# Altium PCB Mainboard.PcbDoc
Units mil, origin at the board's own origin, x right, y up, seen from the top; angles counter-clockwise.
Board outline 2311.74 x 1279.02 mil, 2 copper layers (Top Layer, Bottom Layer); 34 components, 20 nets, 204 pads, 161 vias.
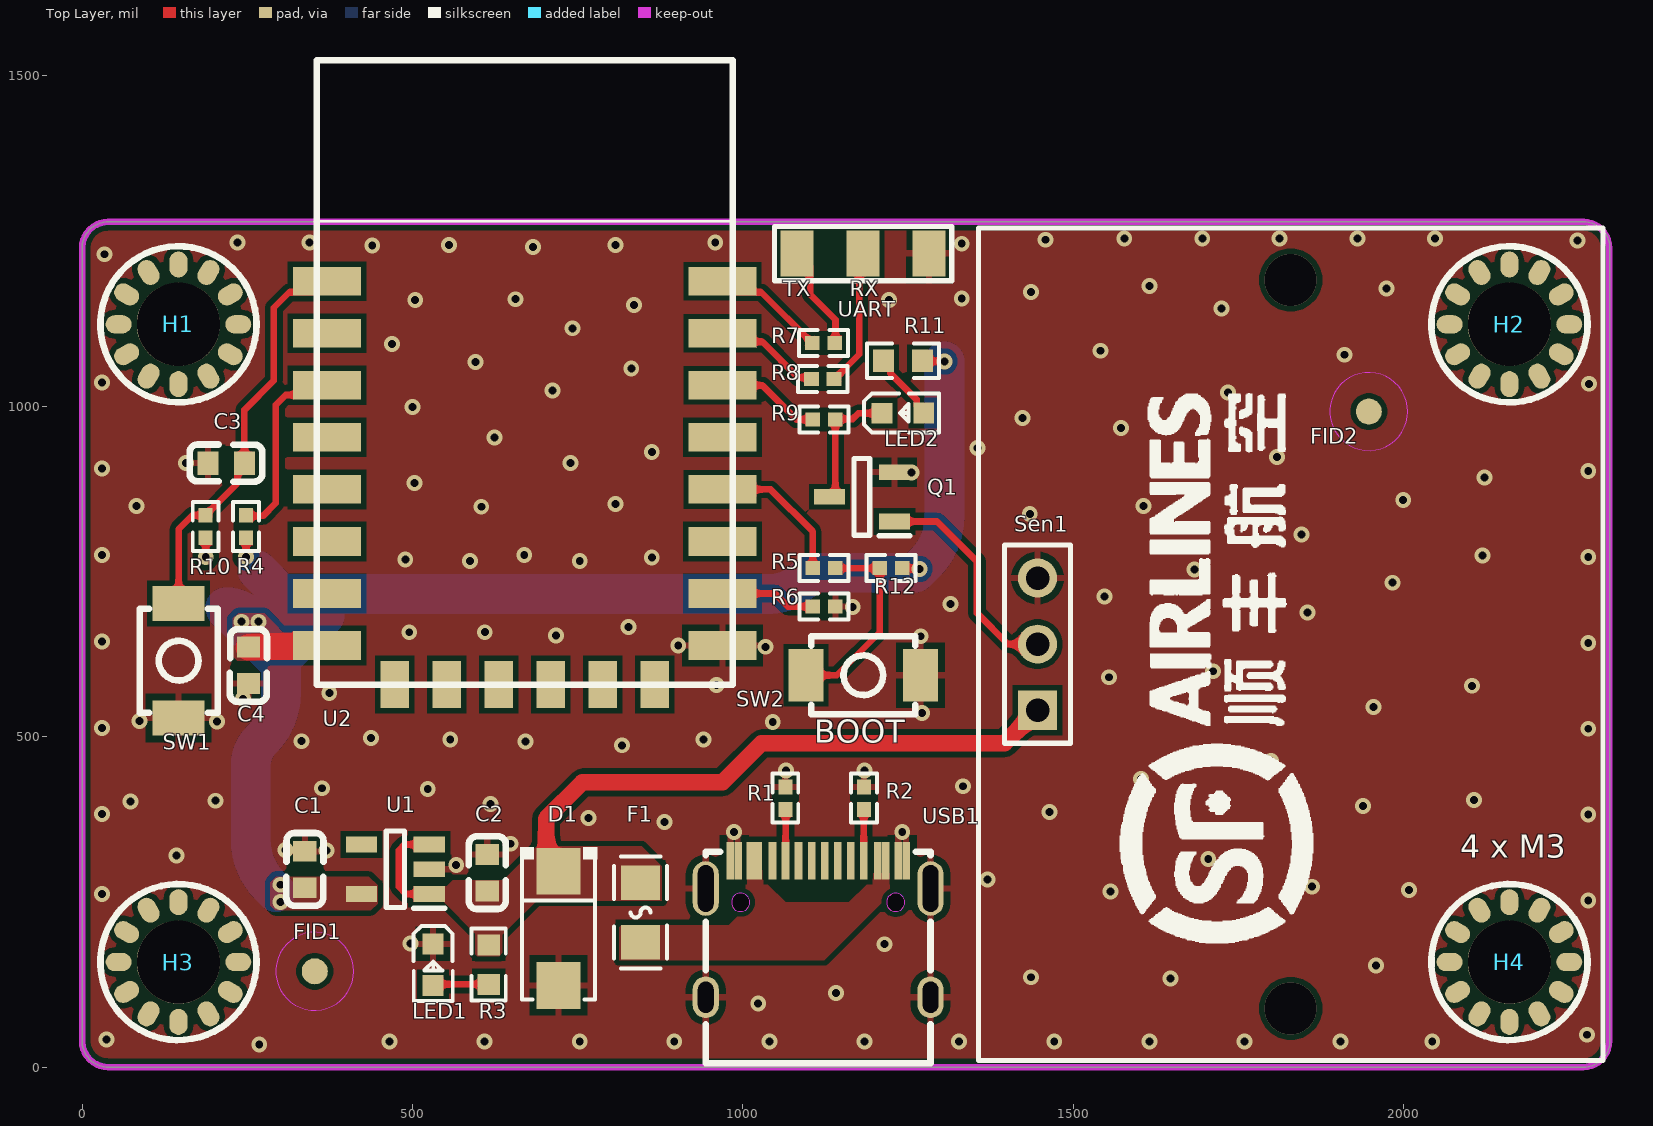
[diagram p0: Top Layer view]
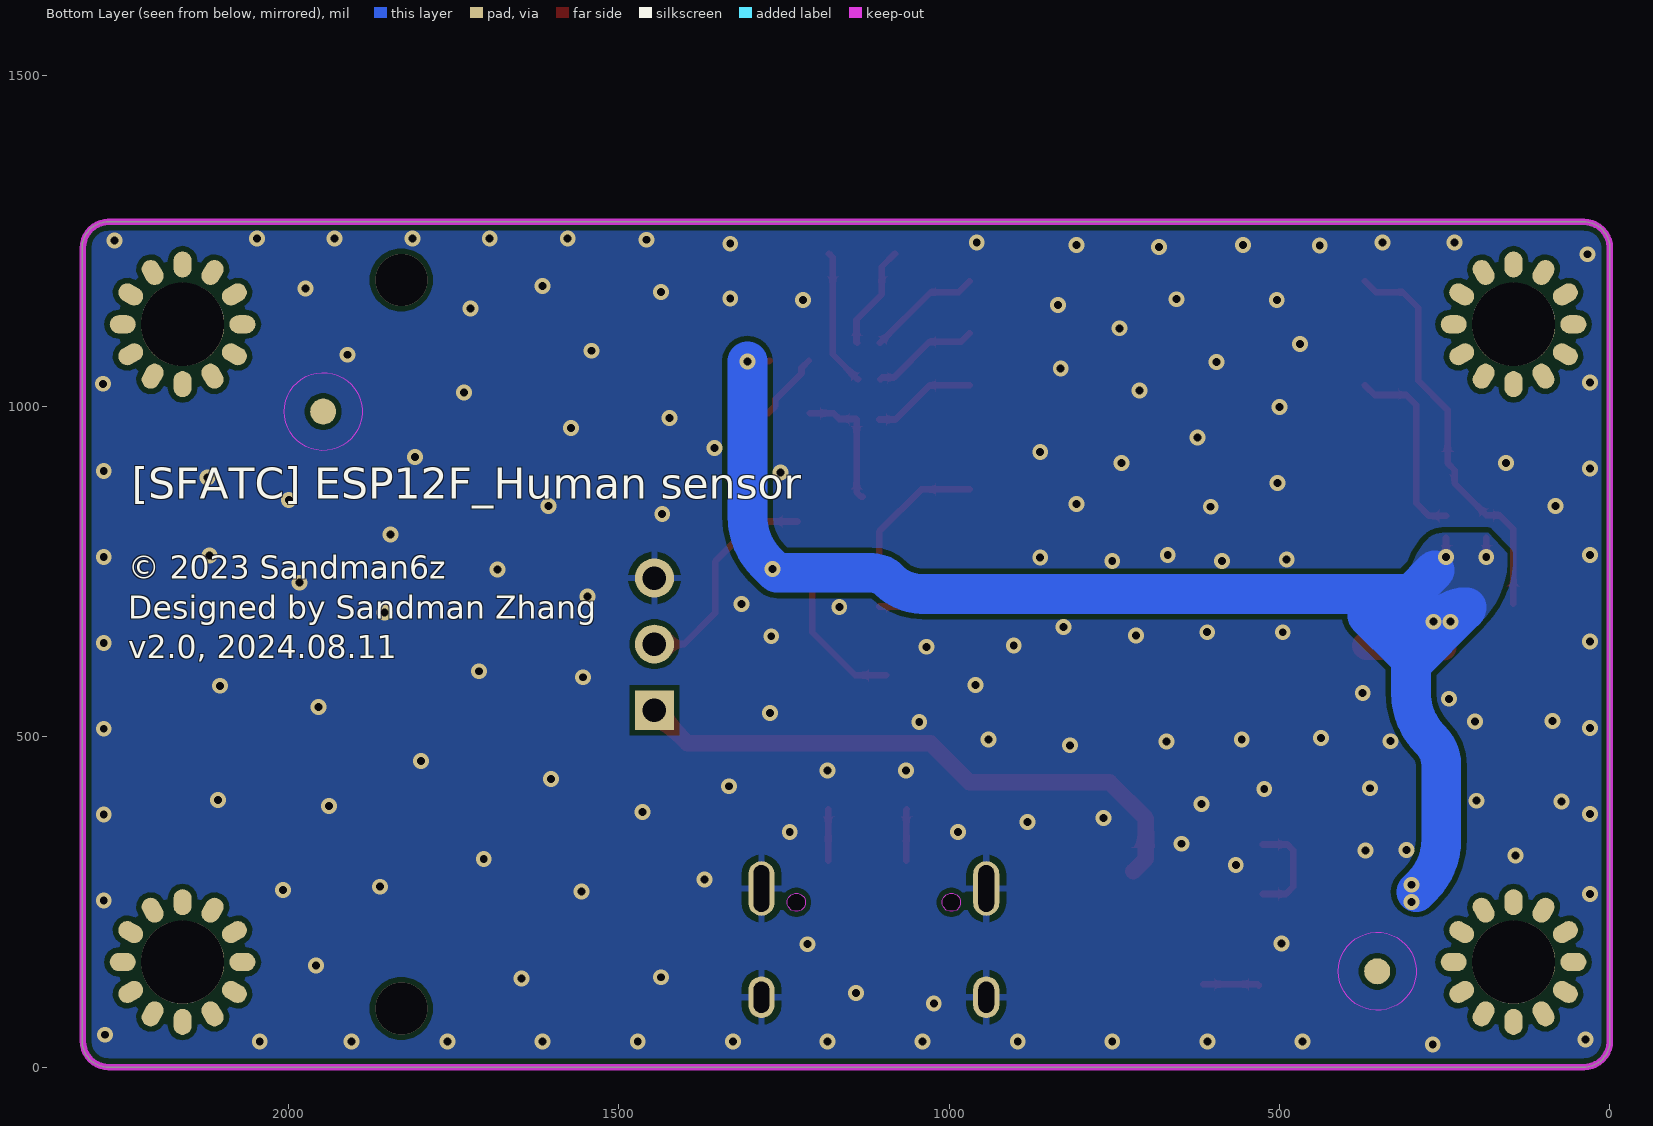
[diagram p1: Bottom Layer view, seen from below]
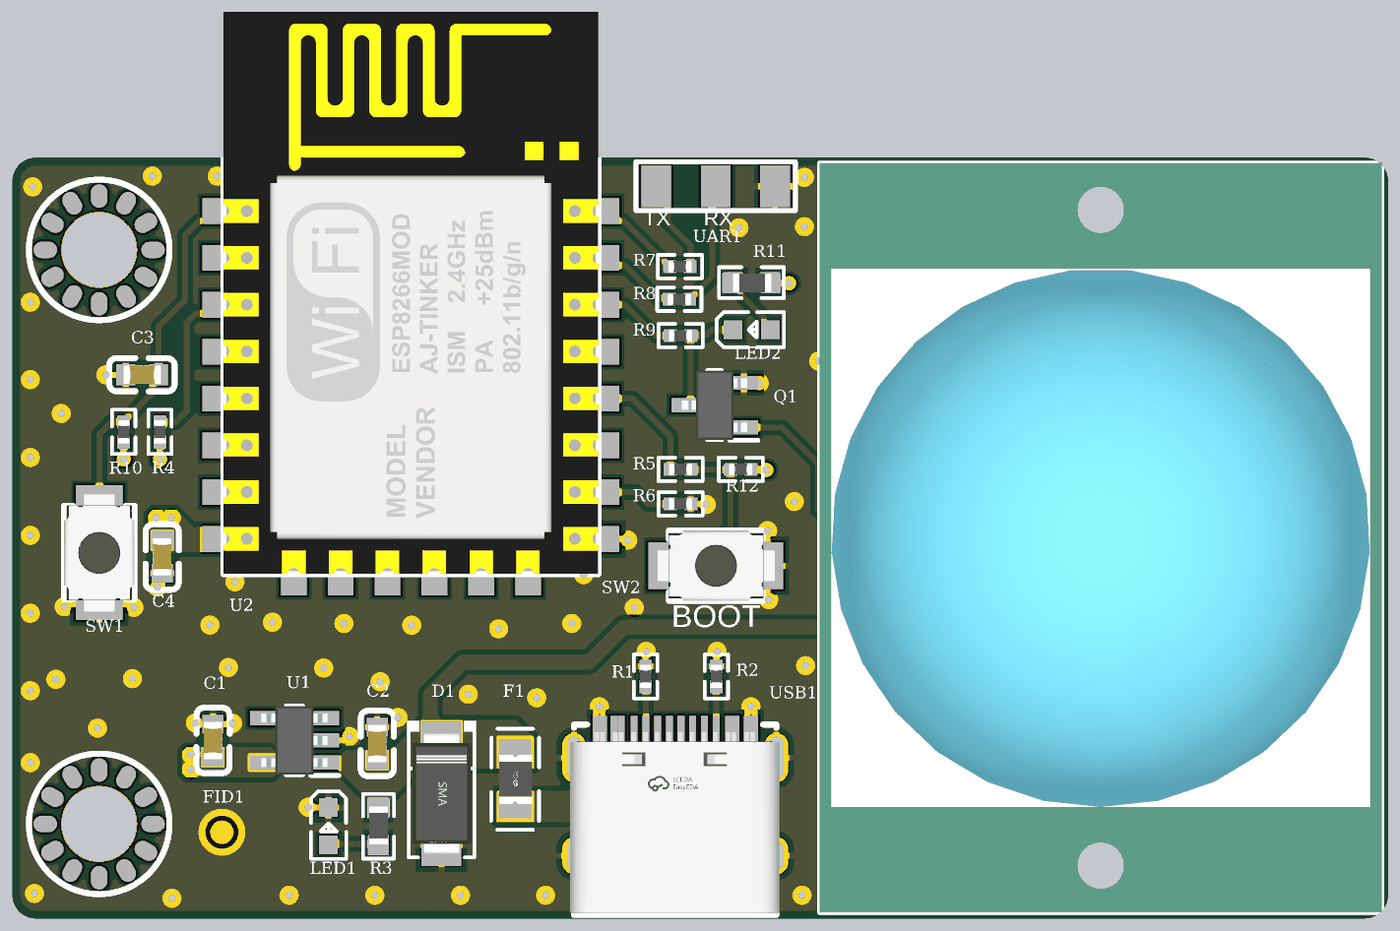
[diagram p2: 3D render of the assembled board from above, using the file's embedded part models]

## Layer stack, top to bottom
Top Solder: solder mask 0.4, Solder Resist, Dk 3.5
Top Layer: signal copper 1.4
Dielectric 2: dielectric 12.6, FR-4, Dk 4.8
Bottom Layer: signal copper 1.4
Bottom Solder: solder mask 0.4, Solder Resist, Dk 3.5

## Board outline
0,39.37 ccw(c39.37,39.37) 39.37,0 2272.36,0 ccw(c2272.36,39.37) 2311.73,39.37 2311.74,1239.65 ccw(c2272.37,1239.65) 2272.37,1279.02 2272.36,1279 39.37,1279 ccw(c39.37,1239.63) 0,1239.63

## Design rules (kind name [scope] priority, off if disabled: settings)
BoardOutlineClearance [All] p1: gap=8 ignorepadtopadclearanceinfootprint=FALSE
Clearance [All] p1: gap=8 ignorepadtopadclearanceinfootprint=TRUE
ComponentClearance [All] p1: gap=10 collisioncheckmode=3 verticalgap=100000 showdistances=FALSE
HoleSize [All] p1: absolutevalues=TRUE maxlimit=9999 minlimit=1 maxpercent=80.000 minpercent=20.000
HoleToHoleClearance [All] p1: gap=6 allowstackedmicrovias=TRUE
MinimumSolderMaskSliver [All] p1: minsoldermaskwidth=4
PasteMaskExpansion [All] p1: expansion=0 thpadusetoppaste=TRUE thpadusebottompaste=TRUE
PlaneConnect PlaneConnect_GND [InNet('GND')] p1: planeconnectstyle=Relief reliefexpansion=20 reliefentries=4 reliefconductorwidth=10 reliefairgap=10
PlaneConnect [All] p2: planeconnectstyle=Direct reliefexpansion=20 reliefentries=4 reliefconductorwidth=10 reliefairgap=10
PolygonConnect PolygonConnect_GND [InNet('GND')] p1: thpad.connectstyle=Relief thpad.reliefconductorwidth=10 thpad.reliefentries=4 thpad.polygonreliefangle="90 Angle" thpad.airgapwidth=10 smdpad.connectstyle=Relief smdpad.reliefconductorwidth=10 smdpad.reliefentries=4 smdpad.polygonreliefangle="90 Angle" smdpad.airgapwidth=10 via.connectstyle=Direct via.reliefconductorwidth=10 via.reliefentries=4 via.polygonreliefangle="90 Angle" via.airgapwidth=10
PolygonConnect [All] p2: connectstyle=Direct reliefconductorwidth=10 reliefentries=4 polygonreliefangle="90 Angle" airgapwidth=10
RoutingVias [All] p1: holewidth=12 width=24 viastyle="Through Hole" minholewidth=8 minwidth=20 maxholewidth=24 maxwidth=32
SilkToSilkClearance [All] p1: silktosilkclearance=0
SilkToSolderMaskClearance [IsPad] p1: minsilkscreentomaskgap=0 clearancetoexposedcopper=TRUE
SolderMaskExpansion [All] p1: expansion=4 istentingtop=FALSE
SupplyNets "Schematic Supply Nets_2" [InNet('VCC3V3_SYS')] p1: voltage=0.000
SupplyNets "Schematic Supply Nets_4" [InNet('VCC5V0_USB')] p2: voltage=0.000
SupplyNets "Schematic Supply Nets_3" [InNet('VUSB')] p3: voltage=0.000
SupplyNets "Schematic Supply Nets_1" [InNet('GND')] p4: voltage=0.000
UnRoutedNet [All] p1: checkbadconnections=TRUE
Width [All] p1: maxlimit=60 minlimit=6 preferedwidth=10
21 further rules are at their usual default settings.

## Classes and differential pairs
component class Power: 5->3V3 C1 C2 D1 F1 FID1 FID2 H1 H2 H3 H4 LED1 R1 R2 R3 U1 USB1
component class ESP12F: C3 C4 LED2 Q1 R4 R5 R6 R7 R8 R9 R10 R11 R12 Sen1 SW1 SW2 U2 UART

## Components (designator, comment, footprint, x,y, rotation, side; value= is the part's Value field where it differs from the comment)
C1 "10uF ±5%_X7R" C0603 337,299 r270 top
C2 "10uF ±5%_X7R" C0603 613,294 r270 top
C3 "100nF ±5%_X7R" C0603 218,914 r0 top
C4 "100nF ±5%_X7R" C0603 251.77,608 r90 top
D1 "SMAJ6.0A" SMA_L4.4-W2.6-LS5.0-RD 721,210 r270 top
F1 "BSMD0805-050-6V" F0805 845,234 r90 top
FID1 "MARK Point" FIDUCIAL 352,145 r0 top
FID2 "MARK Point" FIDUCIAL 1947,992 r0 top
H1 "M3" M3_PTH 145.74,1124 r0 top
H2 "M3" M3_PTH 2159.74,1124 r0 top
H3 "M3" M3_PTH 145.74,159 r0 top
H4 "M3" M3_PTH 2159.74,159 r0 top
LED1 "LED" LED0603-RD 531,155 r270 top
LED2 "LED" LED0603-RD 1242,989.69 r0 top
Q1 "AO3418" SOT95P280X125-3N 1180,863 r180 top
R1 "5.1kΩ ±1% 100mW" R0402 1064,407 r270 top
R2 "5.1kΩ ±1% 100mW" R0402 1183,407 r90 top
R3 "4.7kΩ ±1% 100mW" R0603 615,155 r270 top
R4 "Res3" r0402 248,818 r90 top value=1K
R5 "Res3" r0402 1122.74,755 r0 top value=1K
R6 "Res3" r0402 1122.74,697 r0 top value=1K
R7 "10kΩ ±1% 100mW" R0402 1121.74,1096 r180 top
R8 "10kΩ ±1% 100mW" R0402 1120.74,1041 r180 top
R9 "10kΩ ±1% 100mW" R0402 1122.74,980 r180 top
R10 "10kΩ ±1% 100mW" R0402 187,818 r270 top
R11 "4.7kΩ ±1% 100mW" R0603 1242,1069 r180 top
R12 "10kΩ ±1% 100mW" R0402 1224,755 r0 top
Sen1 "HR-SR501" HR-SR501 2301.25,10.08 r90 top
SW1 "TS-1185-B-A-B-A" SW-SMD_L4.0-W3.0-LS5.0 146,615 r90 top
SW2 "TS-1185-B-A-B-A" SW-SMD_L4.0-W3.0-LS5.0 1182,593 r180 top
U1 "ME6211C33M5G" SOT95P282X145-5N 473.92,299.4 r180 top
U2 "ESP-12E&F Onboard Module" "ESP-12E&F Module" 669.74,884 r0 top locked
UART "UART_3pads" 3pads 1081.74,1231 r90 top (schematic designator COM1)
USB1 "USB-C 16P" USB-C-16P 1113.74,206 r0 top

## Footprints (in the part's own frame and the unit in brackets; to place one, negate y for a bottom-side part, rotate by r counter-clockwise, add the part's x,y. Pads: shape width x height; smd on the part's side, far side on the other; paste and mask are expansions set on the pad)
3pads [mil]
  rect 70x50 smd: 1(0,0) 2(0,-100) 3(0,-200)
C0603 [mm]
  rect 0.8x0.9 smd mask+0.051: 1(-0.7,0) 2(0.7,0)
  silkscreen extent -1.41,-0.71 1.39,0.72, body extent -0.8,-0.4 0.8,0.4, height 0.8
"ESP-12E&F Module" [mm]
  rect 2.6x1.1 smd: 1(-7.6,7.75) 2(-7.6,5.75) 3(-7.6,3.75) 4(-7.6,1.75) 5(-7.6,-0.25) 6(-7.6,-2.25) 7(-7.6,-4.25) 8(-7.6,-6.25) 15(7.6,-6.25) 16(7.6,-4.25) 17(7.6,-2.25) 18(7.6,-0.25) 19(7.6,1.75) 20(7.6,3.75) 21(7.6,5.75) 22(7.6,7.75)
  rect 1.1x1.8 smd: 9(-5,-7.75) 10(-3,-7.75) 11(-1,-7.75) 12(1,-7.75) 13(3,-7.75) 14(5,-7.75)
  silkscreen extent -8,-7.75 8,16.25, body extent -8.01,-7.75 8,16.26, height 2.65
F0805 [mm]
  rect 1.335x1.5 smd paste-100 mask+0.051: 1(-1.142,0) 2(1.142,0)
  silkscreen extent -2.16,-1.02 2.16,1.02, body extent -1.05,-0.71 1.05,0.69, height 0.8
FIDUCIAL [mm] "1mm fiducial with 3mm keepout"
  round 1 smd far side paste-1 mask+0.5: 0(0,0)
  round 1 smd paste-1 mask+0.5: S(0,0)
  Keep-Out Layer circle w0.025: c0,0 r1.5
HR-SR501 [mm] "人体红外感应模块"
  rect 1.5x1.5 hole 0.9: 1(13.46,21.73)
  round 1.5 hole 0.9: 2(16,21.73) 3(18.54,21.73)
  silkscreen extent 0,0 32,24, body extent 0,0 32,24, height 16.6
LED0603-RD [mm]
  rect 0.8x0.8 smd paste+0 mask+0.051: 1(0.799,0.003) 2(-0.799,-0.003)
  silkscreen extent -1.49,-0.75 1.39,0.76
M3_PTH [mm] "Hole with copper"
  oval 1x0.7 smd mask+0.102: 1(-2.3,0) 1(2.3,0)
  oval 1x0.7 smd far side mask+0.102: 1(-2.3,0) 1(2.3,0)
  oval 0.7x1 smd rot 120 mask+0.102: 1(-1.992,-1.15) 1(1.992,1.15)
  oval 0.7x1 smd far side rot 120 mask+0.102: 1(-1.992,-1.15) 1(1.992,1.15)
  oval 0.7x1 smd rot 60 mask+0.102: 1(-1.992,1.15) 1(1.992,-1.15)
  oval 0.7x1 smd far side rot 60 mask+0.102: 1(-1.992,1.15) 1(1.992,-1.15)
  oval 0.7x1 smd rot 150 mask+0.102: 1(-1.15,-1.992) 1(1.15,1.992)
  oval 0.7x1 smd far side rot 150 mask+0.102: 1(-1.15,-1.992) 1(1.15,1.992)
  oval 0.7x1 smd rot 30 mask+0.102: 1(-1.15,1.992) 1(1.15,-1.992)
  oval 0.7x1 smd far side rot 30 mask+0.102: 1(-1.15,1.992) 1(1.15,-1.992)
  oval 0.7x1 smd mask+0.102: 1(0,-2.3) 1(0,2.3)
  oval 0.7x1 smd far side mask+0.102: 1(0,-2.3) 1(0,2.3)
  round 3.2 hole 3.2 mask+0.102: 1(0,0)
  silkscreen extent -3,-3 3,3
R0402 [mm]
  rect 0.566x0.54 smd mask+0.051: 1(-0.433,0) 2(0.433,0)
  silkscreen extent -0.94,-0.5 0.94,0.5, body extent -0.5,-0.25 0.5,0.25, height 0.5
r0402 [mm]
  rect 0.566x0.54 smd mask+0.051: 1(-0.433,0) 2(0.433,0)
  silkscreen extent -0.94,-0.5 0.94,0.5, body extent -0.5,-0.25 0.5,0.25, height 0.5
R0603 [mil]
  rect 31.75x34.02 smd mask+2: 1(-29.66,0) 2(29.66,0)
  silkscreen extent -55,-26 55,26, body extent -33,-16 31,16, height 18
SMA_L4.4-W2.6-LS5.0-RD [mm]
  rect 1.8x1.7 smd paste+0 mask+0.051: 1(-2.192,0) 2(2.192,0)
  silkscreen extent -3.11,-1.48 2.73,1.48, body extent -2.6,-1.24 2.6,1.26, height 2.1
SOT95P280X125-3N [mm]
  rect 1.2x0.6 smd: 1(-1.25,0.95) 2(-1.25,-0.95) 3(1.25,0)
  silkscreen extent -1.85,-1.48 0.3,1.5, body extent -1.4,-1.48 1.4,1.48, height 1.25
SOT95P282X145-5N [mm]
  rect 1.2x0.6 smd: 1(-1.3,0.95) 2(-1.3,0) 3(-1.3,-0.95) 4(1.3,-0.95) 5(1.3,0.95)
  silkscreen extent -1.9,-1.47 0.35,1.5, body extent -1.41,-1.47 1.41,1.47, height 1.45
SW-SMD_L4.0-W3.0-LS5.0 [mm]
  rect 1.35x2 smd: 1(-2.2,0) 2(2.2,0)
  silkscreen extent -2,-1.5 2,1.5, body extent -2.51,-1.5 2.49,1.5, height 2
USB-C-16P [mm]
  oval 1.001x1.6 hole 0.599 slot 1.199 at 90 deg paste-2539.97 mask+0.051: 0(-4.321,-2.548) 0(4.321,-2.548)
  oval 1.001x2.101 hole 0.599 slot 1.801 at 90 deg paste-2539.97 mask+0.051: 0(-4.321,1.633) 0(4.321,1.633)
  rect 0.3x1.45 smd: A1(-3.071,2.7) A4(-2.309,2.7) A5(-1.25,2.7) A6(-0.25,2.7) A7(0.25,2.7) A8(1.25,2.7) A9(2.291,2.7) A12(3.079,2.7) B1(3.384,2.7) B4(2.596,2.7) B5(1.75,2.7) B6(0.75,2.7) B7(-0.75,2.7) B8(-1.75,2.7) B9(-2.614,2.7) B12(-3.376,2.7)
  Keep-Out Layer board cut-out: -2.629,1.102 -2.629,1.172 -2.682,1.301 -2.781,1.4 -2.91,1.453 -3.049,1.453 -3.178,1.4 -3.277,1.301 -3.33,1.172 -3.33,1.102 -3.33,1.033 -3.277,0.904 -3.178,0.805 -3.049,0.752 -2.91,0.752 -2.781,0.805 -2.682,0.904 -2.629,1.033 -2.629,1.102
  Keep-Out Layer board cut-out: 3.33,1.102 3.33,1.172 3.277,1.301 3.178,1.4 3.049,1.453 2.91,1.453 2.781,1.4 2.682,1.301 2.629,1.172 2.629,1.102 2.629,1.033 2.682,0.904 2.781,0.805 2.91,0.752 3.049,0.752 3.178,0.805 3.277,0.904 3.33,1.033 3.33,1.102
  silkscreen extent -4.32,-5.08 4.32,3.05, body extent -4.49,-5.02 4.44,2.73, height 3.29

## Part data
C1 C2 C3 C4: library part Cap, "Capacitor", LatestRevisionDate=17-Jul-2002, LatestRevisionNote="Re-released for DXP Platform.", PackageDescription="Radial Cap, Thru-Hole; 2 Leads; 0.3 in Pin Spacing", PackageReference=RAD-0.3, Published=8-Jun-2000, Publisher="Altium Limited"
D1: library part SMAJ6.0A_C152112, Breakdown Voltage=6.67V, JLCPCB Part Class="Extended Part", LCSC Part Name="单向 Vrwm:6V", Manufacturer=BORN(伯恩半导体), Maximum Clamping Voltage=10.3V, Peak Pulse Current (Ipp)@10/1000μs=38.8A, Reverse Stand-Off Voltage (Vrwm)=6V, Add into BOM=yes, Convert to PCB=yes, Datasheet=https://atta.szlcsc.com/upload/public/pdf/source/20180207/C152112_15179949389561359152.pdf, Device=SMAJ6.0A_C152112, Manufacturer Part=SMAJ6.0A, Name=SMAJ6.0A, Polarity=单向, Supplier=LCSC, Supplier Footprint=SMA(DO-214AC), Supplier Part=C152112, Symbol=SMAJ6.0A_C152112
F1: Current Rating (Max)=40A, Hold Current=500mA, JLCPCB Part Class="Extended Part", LCSC Part Name="6V 500mA 0805自恢复", Manufacturer=BHFUSE(佰宏), Operating Temperature=-40℃~+85℃, Operating Voltage (Max)=6V, Power Dissipation=500mW, Resistance - Initial (Ri) (Min)=100mΩ, Resistance - Post Trip (R1) (Max)=850mΩ, Trip Current=1A, Add into BOM=yes, Convert to PCB=yes, Datasheet=https://atta.szlcsc.com/upload/public/pdf/source/20220223/3FD8E8A8A3681642EAEF465E16495357.pdf, Device=BSMD0805-050-6V, Manufacturer Part=BSMD0805-050-6V, Maximum Time to Trip=100ms, Name=BSMD0805-050-6V, Supplier=LCSC, Supplier Footprint=0805, Supplier Part=C883108, Symbol=BSMD0805-050-6V
FID1 FID2: library part FIDUCIAL, "1mm Fiducial with 2mm soldermask, 3mm keepout"
H1 H2 H3 H4: library part PTH, "Hole with copper"
LED1 LED2: "发光颜色:", Emitted Color=红灯, JLCPCB Part Class="Extended Part", Manufacturer=EVERLIGHT(亿光), Manufacturer Part=17-21SURC/S530-A2/TR8, Add into BOM=yes, Convert to PCB=yes, Datasheet=https://atta.szlcsc.com/upload/public/pdf/source/20170918/C131244_1505726880590976254.pdf, Device=17-21SURC/S530-A2/TR8, LCSC Part Name=红灯, Name=17-21SURC/S530-A2/TR8, Supplier=LCSC, Supplier Footprint=0805, Supplier Part=C131244, Symbol=17-21SURC/S530-A2/TR8
Q1: "MOSFET (N-Channel)", Manufacturer_Name="Alpha & Omega Semiconductors", Arrow Part Number=AO3418, Arrow Price/Stock=https://www.arrow.com/en/products/ao3418/alpha-and-omega-semiconductor, Datasheet Link=http://www.aosmd.com/res/data_sheets/AO3418.pdf, Height=1.25mm, Manufacturer_Part_Number=AO3418
R1 R2 R3 R7 R8 R9 R10 R11 R12: library part Res, "Resistor", LatestRevisionDate=17-Jul-2002, LatestRevisionNote="Re-released for DXP Platform.", PackageDescription="Axial Device, Thru-Hole; 2 Leads; 0.3 in Pin Spacing", PackageReference=AXIAL-0.3, Published=8-Jun-2000, Publisher="Altium Limited"
R4 R5 R6: "Resistor", LatestRevisionDate=29-May-2009, LatestRevisionNote="IPC-7351 Footprint Added.", PackageDescription="Chip Resistor", PackageReference=J1-0603, Published=8-Jun-2000, Publisher="Altium Limited"
Sen1: "人体红外感应模块"
SW1 SW2: library part Button, "触点电流：50mA 额定电压(DC)：12V 电路结构：单刀单掷 安装方式：立贴 带灯：无 作用力：160gf 机械寿命：10万次 带支架：否 轻触开关3x4x2贴片2脚小龟 160gf", Actuator/Cap Color=黑色, Contact Current=50mA, Insulation Resistance=-, JLCPCB Part Class="Extended Part", LCSC Part Name="4*3*2mm 立贴 轻触开关", Manufacturer="XKB Connectivity(中国星坤)", Operating Force=160gf, Operating Temperature=-30℃~+85℃, Voltage Rating (DC)=12V, Actuator Style=圆形按钮, Add into BOM=yes, Circuit=单刀单掷, Convert to PCB=yes, Datasheet=https://atta.szlcsc.com/upload/public/pdf/source/20211011/C2F26DC0AE1820400F54DBF49644F5A1.pdf, Device=TS-1185-B-A-B-A, Manufacturer Part=TS-1185-B-A-B-A, Mechanical Life=10万次, Mounting Style=立贴, Name=TS-1185-B-A-B-A, Strike Gundam=否, Supplier=LCSC, Supplier Footprint=SMD, Supplier Part=C561517, Switch Height=2mm, Switch Length=4mm, Switch Width=3mm, Symbol=TS-1185-B-A-B-A, With Lamp=无
U1: "Integrated Circuit", Manufacturer_Name=Microne, Height=1.45mm, Manufacturer_Part_Number=ME6211C33M5G

## Via types
v1: diameter 24, hole 12, Top Layer to Bottom Layer, 159 vias
v2: diameter 78.74, hole 78.74, Top Layer to Bottom Layer, 2 vias

## Nets (pads, with @x,y where several pads share a name; then routed paths per layer and width w, separated by ;. In a path a pad name is that pad's centre, name@x,y a point inside that pad or via, vN(x,y) a via of type N, cw(c..) or ccw(c..) an arc to the next point about the centre after c; other vN are vias at no path point)
GND: C1.1 C2.1 C3.1 C4.1 D1.2 LED1.2 Q1.2 R1.1 R2.2 R6.2 Sen1.3 SW1.1 SW2.1 U1.2 U2.15 UART.3 USB1.0 USB1.A1 USB1.A12 USB1.B1 USB1.B12
  other v1: 268,34 465,39 609,39 753,39 896,39 1040,39 1184,39 1327,39 1471,39 1615,39 1759,39 1904,39 2043,39 37,42 2277,49 1023,96 1141,112 1647,134 1436,136 1958,154 1214,186 497,187 2279,252 30,262 1556,266 2008,268 1861,273 1370,284 566,306 1704,315 143,320 370,328 307.59,328.54 648,338 986.36,356 1241,356 881,371 766,377 2279,382 30,383 1464,386 1938,395 618,398 73,402 201.68,403.16 2106,404 523,421 363,422 1333,425 1602,436 1065,449 1184,449 1799,463 817,487 331.91,493.2 671,493 557,496 940,496 437,498 2279,512 30,513 204,523 1045,522.5 87,524 1271,536 1954,545 243.64,557.36 374,566 2103,577 960,578 1554,590 1711,599 1034,636 902,638 2279,642 30,644 1269,652 717,653 495,658.09 609.31,658.1 827,666 1854,688 1166,696 1314,701 1547,712 1983,733 1683,753 587,766 753,766 489,768 862,771 2279,772 2119,774 30,775 669,775 1845,806 1434,837 604,848 82,849 1606,849 807,852 1999,858 503,884 2122,892 1255,900 2279,902 30,906 157,914 739,914 1808,923 862,931 1355,937 624,953 1572,967 1423,982 500,999 1734,1021 712,1024 2280,1034 30,1036 831,1057 595,1067 1910,1078 1541,1084 469,1094 742,1118 1724,1148 835,1153 504,1161 1221,1161 656,1162 1331,1163 1436,1173 1974,1178 1615,1182 34,1230 682,1241 439,1243 555,1244 807,1244 1331,1246 235,1248 344,1248 958,1248 2263,1251 1458,1252 1577,1254 1695,1254 1812,1254 1930,1254 2047,1254
GPIO0: R5.2 R12.1 SW2.2 | length 302.7
  Top Layer w10: SW2.2 1142,593 1206.96,657.96 R12.1 R5.2
NetLED1_1: LED1.1 R3.2 | length 84.6
  Top Layer w10: LED1.1 532.95,125.34 R3.2
NetLED2_1: LED2.1 R11.2 | length 104.5
  Top Layer w10: R11.2 1223.22,1058.12 1223.22,1049.78 1262.73,1010.27 1262.73,1000.57 LED2.1
NetR1_2: R1.2 USB1.A5 | length 77.9
  Top Layer w10: R1.2 1064.53,389.43 USB1.A5
NetR2_1: R2.1 USB1.B5 | length 77.8
  Top Layer w10: USB1.B5 1182.64,389.6 R2.1
NetR4_2: R4.2 U2.3 | length 291.4
  Top Layer w10: R4.2@248,834.04 273.63,834.04 293,853.41 293,1002 308,1017 355.89,1017 U2.3
NetR5_1: R5.1 U2.18 | length 218.5
  Top Layer w10: U2.18 1041.84,874.16 1105.7,810.3 R5.1
NetR6_1: R6.1 U2.16 | length 144.9
  Top Layer w10: U2.16 1048.32,716.68 1068,697 R6.1
NetR7_2: R7.2 U2.22 | length 174.3
  Top Layer w10: U2.22 985.61,1172.46 1027.73,1172.46 1104.2,1096 R7.2
NetR8_2: R8.2 U2.21 | length 163.5
  Top Layer w10: U2.21 981.61,1097.72 1029.28,1097.72 1083.42,1043.58 1101.12,1043.58 R8.2
NetR9_2: R9.2 U2.20 | length 158.1
  Top Layer w10: U2.20 1029.36,1031.64 1081,980 R9.2
OUT: Q1.1 Sen1.2 | length 339.1
  Top Layer w10: Q1.1 1293.4,825.6 1354,765 1354,687 1401,640 Sen1.2
RST: C3.2 R10.1 SW1.2 U2.1 | length 615.9
  Top Layer w10: SW1.2 146,814 167.04,835.04 R10.1 187,835.55 234.81,883.36 234.81,903.25 C3.2 245.56,994.56 290,1039 290,1149 313.46,1172.46 353.87,1172.46 U2.1
RXD: R8.1 UART.2 | length 208.5
  Top Layer w10: R8.1 1138.29,1041 1176,1078.71 1176,1225.26 UART.2
Sensor_IN: LED2.2 Q1.3 R9.1 | length 196.7
  Top Layer w10: Q1.3 1132.97,863 1139.78,869.81 R9.1 1140.44,980.66 1165.92,980.66 1174.81,989.55 LED2.2
TXD: R7.1 UART.1 | length 159.6
  Top Layer w10: UART.1 1101.74,1211 1101.74,1169.26 1140,1131 1140,1097.22 R7.1
VCC3V3_SYS: C1.2 C4.2 R4.1 R10.2 R11.1 R12.2 U1.5 U2.8 | length 2383.3
  Top Layer w10: v1(187,772) R10.2 ; v1(248,772) R4.1 ; R12.2 1241.54,754.5 1266.5,754.5 v1(1267,754) ; R11.1 1272.66,1068 v1(1305,1068)
  Top Layer w40: C4.2 258.62,635.56 259.35,636.28 368.87,636.28 U2.8
  Bottom Layer w60: 265,752 301,716 ; 293,265 284.29,273.71 cw(c355,344.42) 255,344.42 255,456.37 cw(c309.63,456.37) 271,495 271.71,495.71 ccw(c201,566.42) 301,566.42 301,609 ; 301,634 254.55,680.45 ccw(c217,642.89) 217,696 ccw(c224.24,696) 219.12,690.88 301,609 ; 367,683 306.66,622.66 ; v1(1305,1068) 1305,833.42 cw(c1205,833.42) 1275.71,762.71 1260.86,747.86 1117.22,747.86 ccw(c1117.22,710.78) 1091,737 cw(c1040.3,787.7) 1040.3,716 301,716 ; 301,609 cw(c320.31,609) 306.66,622.66 ; 301,716 cw(c287.34,702.34) 306.66,702.34 306.66,622.66
  other v1: 300,250 300,276 241,674 267,674
VCC5V0_USB: C2.2 D1.1 F1.2 R3.1 Sen1.1 U1.1 U1.3 | length 1054.5
  Top Layer w10: U1.1 490.19,262 479,273.19 479,328 487.8,336.8 U1.3
  Top Layer w25: D1.1 702,315.32 702,376 757,431 969,431 1028,490 1395.74,490 Sen1.1
VUSB: F1.1 USB1.A4 USB1.A9 USB1.B4 USB1.B9
pads on no net: FID1.0 FID1.S FID2.0 FID2.S H1.1 H2.1 H3.1 H4.1 U1.4 U2.2 U2.4 U2.5 U2.6 U2.7 U2.9 U2.10 U2.11 U2.12 U2.13 U2.14 U2.17 U2.19 USB1.A6 USB1.A7 USB1.A8 USB1.B6 USB1.B7 USB1.B8
copper on no net:
  other v2: 1828.81,88.82 1828.81,1191.18

## Polygon pours and split planes (outlines as drawn)
GND on Top Layer "GND_L01_P011" (solid, remove dead copper, pour order 11): 0,39.37 ccw(c39.37,39.37) 39.37,0 2272.36,0 ccw(c2272.36,39.37) 2311.73,39.37 2311.74,1239.65 ccw(c2272.37,1239.65) 2272.37,1279.02 2272.36,1279 39.37,1279 ccw(c39.37,1239.63) 0,1239.63
VCC3V3_SYS on Top Layer "VCC3V3_SYS_L01_P009" (solid, remove dead copper, pour order 9): 278,615 235,615 228,622 228,679 236,687 276,687 285,678 314,647
VCC3V3_SYS on Top Layer "VCC3V3_SYS_L01_P008" (solid, remove dead copper, pour order 8): 447,275 434,288 293,288 285,280 285,244 292,237 437,237 447,247 447,251
VCC5V0_USB on Top Layer "Top Layer-VCC5V0_USB" (solid, remove dead copper, pour order 7): 688,252 876.97,252 876.97,304.03 847,334 688,334 637,283 561,283 552,274 501,274 501,250 547,250 595,202 595,171 598,168 634,168 636,170 636,200
VUSB on Top Layer "Top Layer-VUSB" (solid, remove dead copper, pour order 4): 813,162 1123,162 1222.34,261.34 1222.34,293.2 1197.34,293.2 1197.34,286.21 1160.34,249.2 1064.34,249.2 1029.34,284.2 1029.34,298.2 1004.34,298.2 1004.34,240.75 978.58,215 816,215 813,212
VCC3V3_SYS on Bottom Layer "VCC3V3_SYS_L02_P012" (solid, remove dead copper, pour order 12): 155.13,777.91 155.13,768.38 ccw(c285.25,768.38) 193.37,676.24 ccw(c282.49,765.36) 243.59,645.48 276.13,645.48 ccw(c267.13,685.52) 303.13,665.81 303.13,731.88 ccw(c207.54,731.89) 275.13,799.48 ccw(c253.41,777.77) 253.4,808.48 184.31,808.48
GND on Bottom Layer "GND_L02_P013" (solid, remove dead copper, pour order 13): 0,39.37 ccw(c39.37,39.37) 39.37,0 2272.36,0 ccw(c2272.36,39.37) 2311.73,39.37 2311.74,1239.65 ccw(c2272.37,1239.65) 2272.37,1279.02 2272.36,1279 39.37,1279 ccw(c39.37,1239.63) 0,1239.63

## Keep-outs
Keep-Out Layer:
  lines w10: 2271.36,1279.02 cw(c2271.36,1239.65) 2310.74,1239.65 2310.74,39.38 cw(c2271.38,39.38) 2271.38,0 39.37,0 cw(c39.37,39.38) -0.01,39.38 -0.01,1239.62 cw(c39.37,1239.62) 39.37,1279 2272.36,1279

## Silkscreen, mask and mechanical layers (free items; w line width, h text height)
Top Overlay:
  drawing of 32 lines, arcs and shapes, not listed
  text "TX" at 1060.69,1158.2 h40
  text "RX" at 1161.69,1158.2 h40
  text "BOOT" at 1107.49,478.8 h60
  text "4 x M3" at 2085,305 h60
Bottom Overlay:
  text "[SFATC] ESP12F_Human sensor" at 2236.61,844.06 h80
  text "© 2023 Sandman6z / Designed by Sandman Zhang / v2.0, 2024.08.11" at 2241.61,606.52 h60
Mechanical 1:
  lines w10: 2271.38,0 39.37,0 cw(c39.37,39.37) 0,39.37 0,1239.65 cw(c39.37,1239.63) 39.37,1279 2272.36,1279 ; 2272.36,0 ccw(c2272.36,39.37) 2311.73,39.37 2311.74,1239.65 ccw(c2272.37,1239.65) 2272.37,1279.02